# Altium PCB PCB_3U_DAC_no_BNC.PCBDOC (part 1 of 7) (continued)
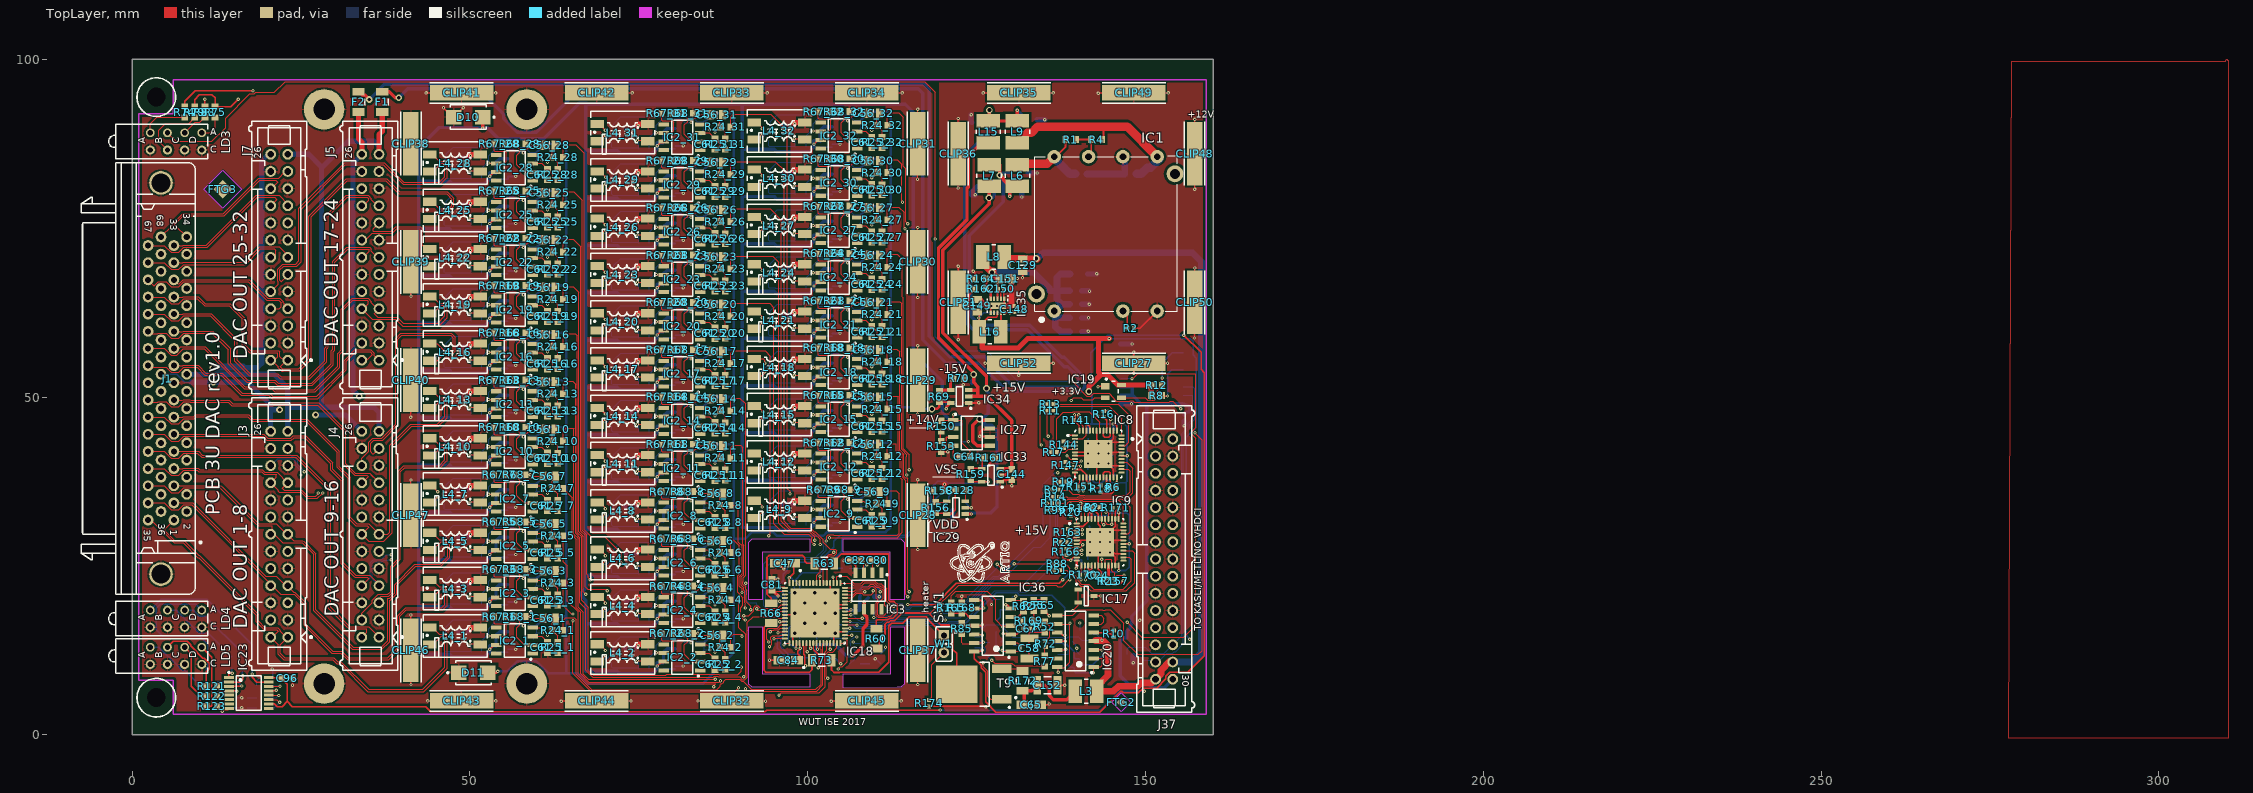
[diagram p0: TopLayer view]
## Classes and differential pairs
component class U_Output_channel1: C56_1 C61_1 C62_1 C90_1 C91_1 C92_1 C93_1 D5_1 IC2_1 L4_1 R24_1 R25_1 R39_1 R67_1 R68_1
component class U_Output_channel2: C56_2 C61_2 C62_2 C90_2 C91_2 C92_2 C93_2 D5_2 IC2_2 L4_2 R24_2 R25_2 R39_2 R67_2 R68_2
component class U_Output_channel3: C56_3 C61_3 C62_3 C90_3 C91_3 C92_3 C93_3 D5_3 IC2_3 L4_3 R24_3 R25_3 R39_3 R67_3 R68_3
component class U_Output_channel4: C56_4 C61_4 C62_4 C90_4 C91_4 C92_4 C93_4 D5_4 IC2_4 L4_4 R24_4 R25_4 R39_4 R67_4 R68_4
component class U_Output_channel5: C56_5 C61_5 C62_5 C90_5 C91_5 C92_5 C93_5 D5_5 IC2_5 L4_5 R24_5 R25_5 R39_5 R67_5 R68_5
component class U_Output_channel6: C56_6 C61_6 C62_6 C90_6 C91_6 C92_6 C93_6 D5_6 IC2_6 L4_6 R24_6 R25_6 R39_6 R67_6 R68_6
component class U_Output_channel7: C56_7 C61_7 C62_7 C90_7 C91_7 C92_7 C93_7 D5_7 IC2_7 L4_7 R24_7 R25_7 R39_7 R67_7 R68_7
component class U_Output_channel8: C56_8 C61_8 C62_8 C90_8 C91_8 C92_8 C93_8 D5_8 IC2_8 L4_8 R24_8 R25_8 R39_8 R67_8 R68_8
component class U_Output_channel9: C56_9 C61_9 C62_9 C90_9 C91_9 C92_9 C93_9 D5_9 IC2_9 L4_9 R24_9 R25_9 R39_9 R67_9 R68_9
component class U_Output_channel10: C56_10 C61_10 C62_10 C90_10 C91_10 C92_10 C93_10 D5_10 IC2_10 L4_10 R24_10 R25_10 R39_10 R67_10 R68_10
component class U_Output_channel11: C56_11 C61_11 C62_11 C90_11 C91_11 C92_11 C93_11 D5_11 IC2_11 L4_11 R24_11 R25_11 R39_11 R67_11 R68_11
component class U_Output_channel12: C56_12 C61_12 C62_12 C90_12 C91_12 C92_12 C93_12 D5_12 IC2_12 L4_12 R24_12 R25_12 R39_12 R67_12 R68_12
component class U_Output_channel13: C56_13 C61_13 C62_13 C90_13 C91_13 C92_13 C93_13 D5_13 IC2_13 L4_13 R24_13 R25_13 R39_13 R67_13 R68_13
component class U_Output_channel14: C56_14 C61_14 C62_14 C90_14 C91_14 C92_14 C93_14 D5_14 IC2_14 L4_14 R24_14 R25_14 R39_14 R67_14 R68_14
component class U_Output_channel15: C56_15 C61_15 C62_15 C90_15 C91_15 C92_15 C93_15 D5_15 IC2_15 L4_15 R24_15 R25_15 R39_15 R67_15 R68_15
component class U_Output_channel16: C56_16 C61_16 C62_16 C90_16 C91_16 C92_16 C93_16 D5_16 IC2_16 L4_16 R24_16 R25_16 R39_16 R67_16 R68_16
component class U_Output_channel17: C56_17 C61_17 C62_17 C90_17 C91_17 C92_17 C93_17 D5_17 IC2_17 L4_17 R24_17 R25_17 R39_17 R67_17 R68_17
component class U_Output_channel18: C56_18 C61_18 C62_18 C90_18 C91_18 C92_18 C93_18 D5_18 IC2_18 L4_18 R24_18 R25_18 R39_18 R67_18 R68_18
component class U_Output_channel19: C56_19 C61_19 C62_19 C90_19 C91_19 C92_19 C93_19 D5_19 IC2_19 L4_19 R24_19 R25_19 R39_19 R67_19 R68_19
component class U_Output_channel20: C56_20 C61_20 C62_20 C90_20 C91_20 C92_20 C93_20 D5_20 IC2_20 L4_20 R24_20 R25_20 R39_20 R67_20 R68_20
component class U_Output_channel21: C56_21 C61_21 C62_21 C90_21 C91_21 C92_21 C93_21 D5_21 IC2_21 L4_21 R24_21 R25_21 R39_21 R67_21 R68_21
component class U_Output_channel22: C56_22 C61_22 C62_22 C90_22 C91_22 C92_22 C93_22 D5_22 IC2_22 L4_22 R24_22 R25_22 R39_22 R67_22 R68_22
component class U_Output_channel23: C56_23 C61_23 C62_23 C90_23 C91_23 C92_23 C93_23 D5_23 IC2_23 L4_23 R24_23 R25_23 R39_23 R67_23 R68_23
component class U_Output_channel24: C56_24 C61_24 C62_24 C90_24 C91_24 C92_24 C93_24 D5_24 IC2_24 L4_24 R24_24 R25_24 R39_24 R67_24 R68_24
component class U_Output_channel25: C56_25 C61_25 C62_25 C90_25 C91_25 C92_25 C93_25 D5_25 IC2_25 L4_25 R24_25 R25_25 R39_25 R67_25 R68_25
component class U_Output_channel26: C56_26 C61_26 C62_26 C90_26 C91_26 C92_26 C93_26 D5_26 IC2_26 L4_26 R24_26 R25_26 R39_26 R67_26 R68_26
component class U_Output_channel27: C56_27 C61_27 C62_27 C90_27 C91_27 C92_27 C93_27 D5_27 IC2_27 L4_27 R24_27 R25_27 R39_27 R67_27 R68_27
component class U_Output_channel28: C56_28 C61_28 C62_28 C90_28 C91_28 C92_28 C93_28 D5_28 IC2_28 L4_28 R24_28 R25_28 R39_28 R67_28 R68_28
component class U_Output_channel29: C56_29 C61_29 C62_29 C90_29 C91_29 C92_29 C93_29 D5_29 IC2_29 L4_29 R24_29 R25_29 R39_29 R67_29 R68_29
component class U_Output_channel30: C56_30 C61_30 C62_30 C90_30 C91_30 C92_30 C93_30 D5_30 IC2_30 L4_30 R24_30 R25_30 R39_30 R67_30 R68_30
component class U_Output_channel31: C56_31 C61_31 C62_31 C90_31 C91_31 C92_31 C93_31 D5_31 IC2_31 L4_31 R24_31 R25_31 R39_31 R67_31 R68_31
component class U_Output_channel32: C56_32 C61_32 C62_32 C90_32 C91_32 C92_32 C93_32 D5_32 IC2_32 L4_32 R24_32 R25_32 R39_32 R67_32 R68_32
channel class Output_channel: U_Output_channel1 U_Output_channel2 U_Output_channel3 U_Output_channel4 U_Output_channel5 U_Output_channel6 U_Output_channel7 U_Output_channel8 U_Output_channel9 U_Output_channel10 U_Output_channel11 U_Output_channel12 U_Output_channel13 U_Output_channel14 U_Output_channel15 U_Output_channel16 U_Output_channel17 U_Output_channel18 U_Output_channel19 U_Output_channel20 U_Output_channel21 U_Output_channel22 U_Output_channel23 U_Output_channel24 U_Output_channel25 U_Output_channel26 U_Output_channel27 U_Output_channel28 U_Output_channel29 U_Output_channel30 U_Output_channel31 U_Output_channel32
channel class IDC2BNC: U_IDC2BNC1 U_IDC2BNC2 U_IDC2BNC3 U_IDC2BNC4
component class U_Thermal_MGM: C58 C59 C65 C66 C67 C152 IC16 IC17 IC20 IC36 L3 LD3 R5 R9 R10 R47 R48 R49 R50 R52 R53 R54 R55 R56 R57 R60 R62 R63 R64_U_Thermal_MGM2 R65 R66 R67_U_Thermal_MGM2 R69_U_Thermal_MGM2 R70_U_Thermal_MGM2 R71 R72 R72_U_Thermal_MGM2 R73 R74 R75 R76 R77 R78 R79 R81 R83 R84 R85 R87 R165 R168 R169 R172 R174 SW1 T9 W1
component class U_Supply_DAC: C63 C64 C124 C128 C129 C130 C131 C132 C133 C134 C135 C136 C137 C138 C139 C140 C141 C142 C143 C144 C145 C146 C147 C148 C149 C150 C151 D10 D11 F1 F2 IC1 IC27 IC29 IC33 IC34 IC35 L6 L7 L8 L9 L15 L16 R1 R2 R4 R69 R70 R150 R153 R156 R158 R159 R161 R162 R164
component class U_DAC_32CH: C9 C12 C13 C14 C31 C33 C47 C50 C53 C76 C77 C78 C79 C80 C81 C82 C83 C84 IC3 IC18 R3 R7 R58 R82
component class PCB_3U_DAC: C68 C71 C95 C96 CLIP27 CLIP28 CLIP29 CLIP30 CLIP31 CLIP32 CLIP33 CLIP34 CLIP35 CLIP36 CLIP37 CLIP38 CLIP39 CLIP40 CLIP41 CLIP42 CLIP43 CLIP44 CLIP45 CLIP46 CLIP47 CLIP48 CLIP49 CLIP50 CLIP51 CLIP52 FTG1 FTG2 FTG3 FTG4 IC19 IC23 J1 J3 J4 J5 J7 LD1 LD4 LD5 R44 R45 R113 R114 R115 R116 R117 R118 R119 R120 R121 R122 R123
component class U_LVDS_IFC_DAC: C19 C20 C21 C22 C23 C24 C37 C38 C69 C70 IC8 IC9 IC13 IC32 J37 R6 R8 R11 R12 R13 R14 R16 R17 R18 R19 R20 R21 R22 R23 R51 R88 R97 R99 R101 R141 R144 R147 R151 R157 R160 R163 R166 R170 R171
net class VOUT[32..1]: VOUT1 VOUT2 VOUT3 VOUT4 VOUT5 VOUT6 VOUT7 VOUT8 VOUT9 VOUT10 VOUT11 VOUT12 VOUT13 VOUT14 VOUT15 VOUT16 VOUT17 VOUT18 VOUT19 VOUT20 VOUT21 VOUT22 VOUT23 VOUT24 VOUT25 VOUT26 VOUT27 VOUT28 VOUT29 VOUT30 VOUT31 VOUT32
net class DAC_OUT_N[31..1]: DAC_OUT_N1 DAC_OUT_N2 DAC_OUT_N3 DAC_OUT_N4 DAC_OUT_N5 DAC_OUT_N6 DAC_OUT_N7 DAC_OUT_N8 DAC_OUT_N9 DAC_OUT_N10 DAC_OUT_N11 DAC_OUT_N12 DAC_OUT_N13 DAC_OUT_N14 DAC_OUT_N15 DAC_OUT_N16 DAC_OUT_N17 DAC_OUT_N18 DAC_OUT_N19 DAC_OUT_N20 DAC_OUT_N21 DAC_OUT_N22 DAC_OUT_N23 DAC_OUT_N24 DAC_OUT_N25 DAC_OUT_N26 DAC_OUT_N27 DAC_OUT_N28 DAC_OUT_N29 DAC_OUT_N30 DAC_OUT_N31 DAC_OUT_N32
net class DAC_OUT_P[32..1]: DAC_OUT_P1 DAC_OUT_P2 DAC_OUT_P3 DAC_OUT_P4 DAC_OUT_P5 DAC_OUT_P6 DAC_OUT_P7 DAC_OUT_P8 DAC_OUT_P9 DAC_OUT_P10 DAC_OUT_P11 DAC_OUT_P12 DAC_OUT_P13 DAC_OUT_P14 DAC_OUT_P15 DAC_OUT_P16 DAC_OUT_P17 DAC_OUT_P18 DAC_OUT_P19 DAC_OUT_P20 DAC_OUT_P21 DAC_OUT_P22 DAC_OUT_P23 DAC_OUT_P24 DAC_OUT_P25 DAC_OUT_P26 DAC_OUT_P27 DAC_OUT_P28 DAC_OUT_P29 DAC_OUT_P30 DAC_OUT_P31 DAC_OUT_P32
channel class Filter_simulations: U_Filter_simulations1 U_Filter_simulations2 U_Filter_simulations3 U_Filter_simulations4 U_Filter_simulations5 U_Filter_simulations6 U_Filter_simulations7 U_Filter_simulations8 U_Filter_simulations9 U_Filter_simulations10 U_Filter_simulations11 U_Filter_simulations12 U_Filter_simulations13 U_Filter_simulations14 U_Filter_simulations15 U_Filter_simulations16 U_Filter_simulations17 U_Filter_simulations18 U_Filter_simulations19 U_Filter_simulations20 U_Filter_simulations21 U_Filter_simulations22 U_Filter_simulations23 U_Filter_simulations24 U_Filter_simulations25 U_Filter_simulations26 U_Filter_simulations27 U_Filter_simulations28 U_Filter_simulations29 U_Filter_simulations30 U_Filter_simulations31 U_Filter_simulations32
differential pair DAC_OUT32: +DAC_OUT_P32 -DAC_OUT_N32
differential pair DAC_OUT31: +DAC_OUT_P31 -DAC_OUT_N31
differential pair DAC_OUT30: +DAC_OUT_P30 -DAC_OUT_N30
differential pair DAC_OUT29: +DAC_OUT_P29 -DAC_OUT_N29
differential pair DAC_OUT28: +DAC_OUT_P28 -DAC_OUT_N28
differential pair DAC_OUT27: +DAC_OUT_P27 -DAC_OUT_N27
differential pair DAC_OUT26: +DAC_OUT_P26 -DAC_OUT_N26
differential pair DAC_OUT25: +DAC_OUT_P25 -DAC_OUT_N25
differential pair DAC_OUT24: +DAC_OUT_P24 -DAC_OUT_N24
differential pair DAC_OUT23: +DAC_OUT_P23 -DAC_OUT_N23
differential pair DAC_OUT22: +DAC_OUT_P22 -DAC_OUT_N22
differential pair DAC_OUT21: +DAC_OUT_P21 -DAC_OUT_N21
differential pair DAC_OUT20: +DAC_OUT_P20 -DAC_OUT_N20
differential pair DAC_OUT19: +DAC_OUT_P19 -DAC_OUT_N19
differential pair DAC_OUT18: +DAC_OUT_P18 -DAC_OUT_N18
differential pair DAC_OUT17: +DAC_OUT_P17 -DAC_OUT_N17
differential pair DAC_OUT16: +DAC_OUT_P16 -DAC_OUT_N16
differential pair DAC_OUT15: +DAC_OUT_P15 -DAC_OUT_N15
differential pair DAC_OUT14: +DAC_OUT_P14 -DAC_OUT_N14
differential pair DAC_OUT13: +DAC_OUT_P13 -DAC_OUT_N13
differential pair DAC_OUT12: +DAC_OUT_P12 -DAC_OUT_N12
differential pair DAC_OUT11: +DAC_OUT_P11 -DAC_OUT_N11
differential pair DAC_OUT10: +DAC_OUT_P10 -DAC_OUT_N10
differential pair DAC_OUT9: +DAC_OUT_P9 -DAC_OUT_N9
differential pair DAC_OUT8: +DAC_OUT_P8 -DAC_OUT_N8
differential pair DAC_OUT7: +DAC_OUT_P7 -DAC_OUT_N7
differential pair DAC_OUT6: +DAC_OUT_P6 -DAC_OUT_N6
differential pair DAC_OUT5: +DAC_OUT_P5 -DAC_OUT_N5
differential pair DAC_OUT4: +DAC_OUT_P4 -DAC_OUT_N4
differential pair DAC_OUT3: +DAC_OUT_P3 -DAC_OUT_N3
differential pair DAC_OUT2: +DAC_OUT_P2 -DAC_OUT_N2
differential pair DAC_OUT1: +DAC_OUT_P1 -DAC_OUT_N1
differential pair LVDS1: +LVDS1_P -LVDS1_N
differential pair LVDS2: +LVDS2_P -LVDS2_N
differential pair LVDS3: +LVDS3_P -LVDS3_N
differential pair LVDS4: +LVDS4_P -LVDS4_N
differential pair LVDS5: +LVDS5_P -LVDS5_N
differential pair LVDS6: +LVDS6_P -LVDS6_N
differential pair LVDS7: +LVDS7_P -LVDS7_N
differential pair LVDS8: +LVDS8_P -LVDS8_N

## Components (designator, comment, footprint, x,y, rotation, side; value= is the part's Value field where it differs from the comment)
C9 "100nF" CAPC1005X55N 109.445,20.444 r180 bottom
C12 "10uF" CAPMP3216X180N 94.586,21.968 r90 bottom
C13 "100nF" CAPC1005X55N 105.254,18.666 r0 bottom
C14 "10uF" CAPMP3216X180N 109.064,18.539 r0 bottom
C19 "100nF" CAPC1005X55N 145.673,41.323 r0 bottom
C20 "100nF" CAPC1005X55N 145.266,39.215 r270 bottom
C21 "100nF" CAPC1005X55N 145.266,44.676 r90 bottom
C22 "100nF" CAPC1005X55N 141.456,38.783 r270 bottom
C23 "100nF" CAPC1005X55N 141.558,44.346 r90 bottom
C24 "100nF" CAPC1005X55N 143.016,23.555 r180 top
C31 "100nF" CAPC1005X55N 98.015,22.349 r90 bottom
C33 "100nF" CAPC1005X55N 97.634,13.713 r270 bottom
C37 "100nF" CAPC1005X55N 155.753,46.965 r90 bottom
C38 "100nF" CAPC1005X55N 148.171,15.859 r180 bottom
C47 "10uF" CAPMP3216X180N 96.618,25.397 r180 top
C50 "100nF" CAPC1005X55N 98.904,13.84 r270 bottom
C53 "100nF" CAPC1005X55N 96.745,21.079 r180 bottom
C56_1 "680pF" CAPC2012X135N 61.722,17.272 r180 top (schematic designator C56)
C56_2 "680pF" CAPC2012X135N 86.522,14.772 r180 top (schematic designator C56)
C56_3 "680pF" CAPC2012X135N 61.722,24.272 r180 top (schematic designator C56)
C56_4 "680pF" CAPC2012X135N 86.522,21.772 r180 top (schematic designator C56)
C56_5 "680pF" CAPC2012X135N 61.722,31.272 r180 top (schematic designator C56)
C56_6 "680pF" CAPC2012X135N 86.522,28.772 r180 top (schematic designator C56)
C56_7 "680pF" CAPC2012X135N 61.722,38.272 r180 top (schematic designator C56)
C56_8 "680pF" CAPC2012X135N 86.522,35.772 r180 top (schematic designator C56)
C56_9 "680pF" CAPC2012X135N 109.722,36.022 r180 top (schematic designator C56)
C56_10 "680pF" CAPC2012X135N 61.722,45.272 r180 top (schematic designator C56)
C56_11 "680pF" CAPC2012X135N 86.522,42.772 r180 top (schematic designator C56)
C56_12 "680pF" CAPC2012X135N 109.722,43.022 r180 top (schematic designator C56)
C56_13 "680pF" CAPC2012X135N 61.722,52.272 r180 top (schematic designator C56)
C56_14 "680pF" CAPC2012X135N 86.522,49.772 r180 top (schematic designator C56)
C56_15 "680pF" CAPC2012X135N 109.722,50.022 r180 top (schematic designator C56)
C56_16 "680pF" CAPC2012X135N 61.722,59.272 r180 top (schematic designator C56)
C56_17 "680pF" CAPC2012X135N 86.522,56.772 r180 top (schematic designator C56)
C56_18 "680pF" CAPC2012X135N 109.722,57.022 r180 top (schematic designator C56)
C56_19 "680pF" CAPC2012X135N 61.722,66.272 r180 top (schematic designator C56)
C56_20 "680pF" CAPC2012X135N 86.522,63.772 r180 top (schematic designator C56)
C56_21 "680pF" CAPC2012X135N 109.722,64.022 r180 top (schematic designator C56)
C56_22 "680pF" CAPC2012X135N 61.722,73.272 r180 top (schematic designator C56)
C56_23 "680pF" CAPC2012X135N 86.522,70.772 r180 top (schematic designator C56)
C56_24 "680pF" CAPC2012X135N 109.722,71.022 r180 top (schematic designator C56)
C56_25 "680pF" CAPC2012X135N 61.722,80.272 r180 top (schematic designator C56)
C56_26 "680pF" CAPC2012X135N 86.522,77.772 r180 top (schematic designator C56)
C56_27 "680pF" CAPC2012X135N 109.722,78.022 r180 top (schematic designator C56)
C56_28 "680pF" CAPC2012X135N 61.722,87.272 r180 top (schematic designator C56)
C56_29 "680pF" CAPC2012X135N 86.522,84.772 r180 top (schematic designator C56)
C56_30 "680pF" CAPC2012X135N 109.722,85.022 r180 top (schematic designator C56)
C56_31 "680pF" CAPC2012X135N 86.522,91.772 r180 top (schematic designator C56)
C56_32 "680pF" CAPC2012X135N 109.722,92.022 r180 top (schematic designator C56)
C58 "47uF" CAPC3225X270N 132.813,12.824 r90 top
C59 "1nF" CAPC1608X87N 128.495,19.301 r270 bottom
C61_1 "220pF" CAPC1608X87N 61.468,12.954 r90 top (schematic designator C61)
C61_2 "220pF" CAPC1608X87N 86.268,10.454 r90 top (schematic designator C61)
C61_3 "220pF" CAPC1608X87N 61.468,19.954 r90 top (schematic designator C61)
C61_4 "220pF" CAPC1608X87N 86.268,17.454 r90 top (schematic designator C61)
C61_5 "220pF" CAPC1608X87N 61.468,26.954 r90 top (schematic designator C61)
C61_6 "220pF" CAPC1608X87N 86.268,24.454 r90 top (schematic designator C61)
C61_7 "220pF" CAPC1608X87N 61.468,33.954 r90 top (schematic designator C61)
C61_8 "220pF" CAPC1608X87N 86.268,31.454 r90 top (schematic designator C61)
C61_9 "220pF" CAPC1608X87N 109.468,31.704 r90 top (schematic designator C61)
C61_10 "220pF" CAPC1608X87N 61.468,40.954 r90 top (schematic designator C61)
C61_11 "220pF" CAPC1608X87N 86.268,38.454 r90 top (schematic designator C61)
C61_12 "220pF" CAPC1608X87N 109.468,38.704 r90 top (schematic designator C61)
C61_13 "220pF" CAPC1608X87N 61.468,47.954 r90 top (schematic designator C61)
C61_14 "220pF" CAPC1608X87N 86.268,45.454 r90 top (schematic designator C61)
C61_15 "220pF" CAPC1608X87N 109.468,45.704 r90 top (schematic designator C61)
C61_16 "220pF" CAPC1608X87N 61.468,54.954 r90 top (schematic designator C61)
C61_17 "220pF" CAPC1608X87N 86.268,52.454 r90 top (schematic designator C61)
C61_18 "220pF" CAPC1608X87N 109.468,52.704 r90 top (schematic designator C61)
C61_19 "220pF" CAPC1608X87N 61.468,61.954 r90 top (schematic designator C61)
C61_20 "220pF" CAPC1608X87N 86.268,59.454 r90 top (schematic designator C61)
C61_21 "220pF" CAPC1608X87N 109.468,59.704 r90 top (schematic designator C61)
C61_22 "220pF" CAPC1608X87N 61.468,68.954 r90 top (schematic designator C61)
C61_23 "220pF" CAPC1608X87N 86.268,66.454 r90 top (schematic designator C61)
C61_24 "220pF" CAPC1608X87N 109.468,66.704 r90 top (schematic designator C61)
C61_25 "220pF" CAPC1608X87N 61.468,75.954 r90 top (schematic designator C61)
C61_26 "220pF" CAPC1608X87N 86.268,73.454 r90 top (schematic designator C61)
C61_27 "220pF" CAPC1608X87N 109.468,73.704 r90 top (schematic designator C61)
C61_28 "220pF" CAPC1608X87N 61.468,82.954 r90 top (schematic designator C61)
C61_29 "220pF" CAPC1608X87N 86.268,80.454 r90 top (schematic designator C61)
C61_30 "220pF" CAPC1608X87N 109.468,80.704 r90 top (schematic designator C61)
C61_31 "220pF" CAPC1608X87N 86.268,87.454 r90 top (schematic designator C61)
C61_32 "220pF" CAPC1608X87N 109.468,87.704 r90 top (schematic designator C61)
C62_1 "2.2nF" CAPC3216X140N 48.26,14.224 r270 bottom (schematic designator C62)
C62_2 "2.2nF" CAPC3216X140N 73.06,11.724 r270 bottom (schematic designator C62)
C62_3 "2.2nF" CAPC3216X140N 48.26,21.224 r270 bottom (schematic designator C62)
C62_4 "2.2nF" CAPC3216X140N 73.06,18.724 r270 bottom (schematic designator C62)
C62_5 "2.2nF" CAPC3216X140N 48.26,28.224 r270 bottom (schematic designator C62)
C62_6 "2.2nF" CAPC3216X140N 73.06,25.724 r270 bottom (schematic designator C62)
C62_7 "2.2nF" CAPC3216X140N 48.26,35.224 r270 bottom (schematic designator C62)
C62_8 "2.2nF" CAPC3216X140N 73.06,32.724 r270 bottom (schematic designator C62)
C62_9 "2.2nF" CAPC3216X140N 96.26,32.974 r270 bottom (schematic designator C62)
C62_10 "2.2nF" CAPC3216X140N 48.26,42.224 r270 bottom (schematic designator C62)
C62_11 "2.2nF" CAPC3216X140N 73.06,39.724 r270 bottom (schematic designator C62)
C62_12 "2.2nF" CAPC3216X140N 96.26,39.974 r270 bottom (schematic designator C62)
C62_13 "2.2nF" CAPC3216X140N 48.26,49.224 r270 bottom (schematic designator C62)
C62_14 "2.2nF" CAPC3216X140N 73.06,46.724 r270 bottom (schematic designator C62)
C62_15 "2.2nF" CAPC3216X140N 96.26,46.974 r270 bottom (schematic designator C62)
C62_16 "2.2nF" CAPC3216X140N 48.26,56.224 r270 bottom (schematic designator C62)
C62_17 "2.2nF" CAPC3216X140N 73.06,53.724 r270 bottom (schematic designator C62)
C62_18 "2.2nF" CAPC3216X140N 96.26,53.974 r270 bottom (schematic designator C62)
C62_19 "2.2nF" CAPC3216X140N 48.26,63.224 r270 bottom (schematic designator C62)
C62_20 "2.2nF" CAPC3216X140N 73.06,60.724 r270 bottom (schematic designator C62)
C62_21 "2.2nF" CAPC3216X140N 96.26,60.974 r270 bottom (schematic designator C62)
C62_22 "2.2nF" CAPC3216X140N 48.26,70.224 r270 bottom (schematic designator C62)
C62_23 "2.2nF" CAPC3216X140N 73.06,67.724 r270 bottom (schematic designator C62)
C62_24 "2.2nF" CAPC3216X140N 96.26,67.974 r270 bottom (schematic designator C62)
C62_25 "2.2nF" CAPC3216X140N 48.26,77.224 r270 bottom (schematic designator C62)
C62_26 "2.2nF" CAPC3216X140N 73.06,74.724 r270 bottom (schematic designator C62)
C62_27 "2.2nF" CAPC3216X140N 96.26,74.974 r270 bottom (schematic designator C62)
C62_28 "2.2nF" CAPC3216X140N 48.26,84.224 r270 bottom (schematic designator C62)
C62_29 "2.2nF" CAPC3216X140N 73.06,81.724 r270 bottom (schematic designator C62)
C62_30 "2.2nF" CAPC3216X140N 96.26,81.974 r270 bottom (schematic designator C62)
C62_31 "2.2nF" CAPC3216X140N 73.06,88.724 r270 bottom (schematic designator C62)
C62_32 "2.2nF" CAPC3216X140N 96.26,88.974 r270 bottom (schematic designator C62)
C63 "1uF" CAPC1608X87N 126.263,45.031 r90 bottom
C64 "10nF" CAPC1608X87N 123.263,41.206 r0 top
C65 "10uF" CAPMP3216X180N 133.067,4.442 r0 top
C66 "100nF" CAPC1005X55N 142.211,14.475 r270 bottom
C67 "100nF" CAPC1005X55N 132.432,15.745 r180 top
C68 "82pF" CAPC1608X87N 110,12 r180 bottom
C69 "100nF" CAPC1005X55N 140.974,25.931 r180 bottom
C70 "100nF" CAPC1005X55N 141.583,31.417 r90 bottom
C71 "82pF" CAPC1608X87N 16.25,5.5 r0 bottom
C76 "82pF" CAPC1608X87N 16.25,4 r0 bottom
C77 "82pF" CAPC1608X87N 20,8.75 r180 bottom
C78 "100nF" CAPC1005X55N 101.317,13.713 r270 bottom
C79 "10uF" CAPMP3216X180N 102.46,11.427 r0 bottom
C80 "2.2uF" CAPC1608X87N 110.274,25.842 r180 top
C81 "2.2uF" CAPC1608X87N 94.713,22.222 r270 top
C82 "1uF" CAPC1608X87N 107.099,25.842 r0 top
C83 "100nF" CAPC1005X55N 105.127,15.745 r0 bottom
C84 "10uF" CAPMP3216X180N 97.126,11.046 r180 top
C90_1 "10uF" CAPMP3216X180N 55.626,13.97 r270 bottom (schematic designator C90)
C90_2 "10uF" CAPMP3216X180N 80.426,11.47 r270 bottom (schematic designator C90)
C90_3 "10uF" CAPMP3216X180N 55.626,20.97 r270 bottom (schematic designator C90)
C90_4 "10uF" CAPMP3216X180N 80.426,18.47 r270 bottom (schematic designator C90)
C90_5 "10uF" CAPMP3216X180N 55.626,27.97 r270 bottom (schematic designator C90)
C90_6 "10uF" CAPMP3216X180N 80.426,25.47 r270 bottom (schematic designator C90)
C90_7 "10uF" CAPMP3216X180N 55.626,34.97 r270 bottom (schematic designator C90)
C90_8 "10uF" CAPMP3216X180N 80.426,32.47 r270 bottom (schematic designator C90)
C90_9 "10uF" CAPMP3216X180N 103.626,32.72 r270 bottom (schematic designator C90)
C90_10 "10uF" CAPMP3216X180N 55.626,41.97 r270 bottom (schematic designator C90)
C90_11 "10uF" CAPMP3216X180N 80.426,39.47 r270 bottom (schematic designator C90)
C90_12 "10uF" CAPMP3216X180N 103.626,39.72 r270 bottom (schematic designator C90)
C90_13 "10uF" CAPMP3216X180N 55.626,48.97 r270 bottom (schematic designator C90)
C90_14 "10uF" CAPMP3216X180N 80.426,46.47 r270 bottom (schematic designator C90)
C90_15 "10uF" CAPMP3216X180N 103.626,46.72 r270 bottom (schematic designator C90)
C90_16 "10uF" CAPMP3216X180N 55.626,55.97 r270 bottom (schematic designator C90)
C90_17 "10uF" CAPMP3216X180N 80.426,53.47 r270 bottom (schematic designator C90)
C90_18 "10uF" CAPMP3216X180N 103.626,53.72 r270 bottom (schematic designator C90)
C90_19 "10uF" CAPMP3216X180N 55.626,62.97 r270 bottom (schematic designator C90)
C90_20 "10uF" CAPMP3216X180N 80.426,60.47 r270 bottom (schematic designator C90)
C90_21 "10uF" CAPMP3216X180N 103.626,60.72 r270 bottom (schematic designator C90)
C90_22 "10uF" CAPMP3216X180N 55.626,69.97 r270 bottom (schematic designator C90)
C90_23 "10uF" CAPMP3216X180N 80.426,67.47 r270 bottom (schematic designator C90)
C90_24 "10uF" CAPMP3216X180N 103.626,67.72 r270 bottom (schematic designator C90)
C90_25 "10uF" CAPMP3216X180N 55.626,76.97 r270 bottom (schematic designator C90)
C90_26 "10uF" CAPMP3216X180N 80.426,74.47 r270 bottom (schematic designator C90)
C90_27 "10uF" CAPMP3216X180N 103.626,74.72 r270 bottom (schematic designator C90)
C90_28 "10uF" CAPMP3216X180N 55.626,83.97 r270 bottom (schematic designator C90)
C90_29 "10uF" CAPMP3216X180N 80.426,81.47 r270 bottom (schematic designator C90)
C90_30 "10uF" CAPMP3216X180N 103.626,81.72 r270 bottom (schematic designator C90)
C90_31 "10uF" CAPMP3216X180N 80.426,88.47 r270 bottom (schematic designator C90)
C90_32 "10uF" CAPMP3216X180N 103.626,88.72 r270 bottom (schematic designator C90)
C91_1 "100nF" CAPC1005X55N 53.848,12.7 r90 bottom (schematic designator C91)
C91_2 "100nF" CAPC1005X55N 78.648,10.2 r90 bottom (schematic designator C91)
C91_3 "100nF" CAPC1005X55N 53.848,19.7 r90 bottom (schematic designator C91)
C91_4 "100nF" CAPC1005X55N 78.648,17.2 r90 bottom (schematic designator C91)
C91_5 "100nF" CAPC1005X55N 53.848,26.7 r90 bottom (schematic designator C91)
C91_6 "100nF" CAPC1005X55N 78.648,24.2 r90 bottom (schematic designator C91)
C91_7 "100nF" CAPC1005X55N 53.848,33.7 r90 bottom (schematic designator C91)
C91_8 "100nF" CAPC1005X55N 78.648,31.2 r90 bottom (schematic designator C91)
C91_9 "100nF" CAPC1005X55N 101.848,31.45 r90 bottom (schematic designator C91)
C91_10 "100nF" CAPC1005X55N 53.848,40.7 r90 bottom (schematic designator C91)
C91_11 "100nF" CAPC1005X55N 78.648,38.2 r90 bottom (schematic designator C91)
C91_12 "100nF" CAPC1005X55N 101.848,38.45 r90 bottom (schematic designator C91)
C91_13 "100nF" CAPC1005X55N 53.848,47.7 r90 bottom (schematic designator C91)
C91_14 "100nF" CAPC1005X55N 78.648,45.2 r90 bottom (schematic designator C91)
C91_15 "100nF" CAPC1005X55N 101.848,45.45 r90 bottom (schematic designator C91)
C91_16 "100nF" CAPC1005X55N 53.848,54.7 r90 bottom (schematic designator C91)
C91_17 "100nF" CAPC1005X55N 78.648,52.2 r90 bottom (schematic designator C91)
C91_18 "100nF" CAPC1005X55N 101.848,52.45 r90 bottom (schematic designator C91)
C91_19 "100nF" CAPC1005X55N 53.848,61.7 r90 bottom (schematic designator C91)
C91_20 "100nF" CAPC1005X55N 78.648,59.2 r90 bottom (schematic designator C91)
C91_21 "100nF" CAPC1005X55N 101.848,59.45 r90 bottom (schematic designator C91)
C91_22 "100nF" CAPC1005X55N 53.848,68.7 r90 bottom (schematic designator C91)
C91_23 "100nF" CAPC1005X55N 78.648,66.2 r90 bottom (schematic designator C91)
C91_24 "100nF" CAPC1005X55N 101.848,66.45 r90 bottom (schematic designator C91)
C91_25 "100nF" CAPC1005X55N 53.848,75.7 r90 bottom (schematic designator C91)
C91_26 "100nF" CAPC1005X55N 78.648,73.2 r90 bottom (schematic designator C91)
C91_27 "100nF" CAPC1005X55N 101.848,73.45 r90 bottom (schematic designator C91)
C91_28 "100nF" CAPC1005X55N 53.848,82.7 r90 bottom (schematic designator C91)
C91_29 "100nF" CAPC1005X55N 78.648,80.2 r90 bottom (schematic designator C91)
C91_30 "100nF" CAPC1005X55N 101.848,80.45 r90 bottom (schematic designator C91)
C91_31 "100nF" CAPC1005X55N 78.648,87.2 r90 bottom (schematic designator C91)
C91_32 "100nF" CAPC1005X55N 101.848,87.45 r90 bottom (schematic designator C91)
C92_1 "100nF" CAPC1005X55N 59.436,13.716 r90 bottom (schematic designator C92)
C92_2 "100nF" CAPC1005X55N 84.236,11.216 r90 bottom (schematic designator C92)
C92_3 "100nF" CAPC1005X55N 59.436,20.716 r90 bottom (schematic designator C92)
C92_4 "100nF" CAPC1005X55N 84.236,18.216 r90 bottom (schematic designator C92)
C92_5 "100nF" CAPC1005X55N 59.436,27.716 r90 bottom (schematic designator C92)
C92_6 "100nF" CAPC1005X55N 84.236,25.216 r90 bottom (schematic designator C92)
C92_7 "100nF" CAPC1005X55N 59.436,34.716 r90 bottom (schematic designator C92)
C92_8 "100nF" CAPC1005X55N 84.236,32.216 r90 bottom (schematic designator C92)
C92_9 "100nF" CAPC1005X55N 107.436,32.466 r90 bottom (schematic designator C92)
C92_10 "100nF" CAPC1005X55N 59.436,41.716 r90 bottom (schematic designator C92)
C92_11 "100nF" CAPC1005X55N 84.236,39.216 r90 bottom (schematic designator C92)
C92_12 "100nF" CAPC1005X55N 107.436,39.466 r90 bottom (schematic designator C92)
C92_13 "100nF" CAPC1005X55N 59.436,48.716 r90 bottom (schematic designator C92)
C92_14 "100nF" CAPC1005X55N 84.236,46.216 r90 bottom (schematic designator C92)
C92_15 "100nF" CAPC1005X55N 107.436,46.466 r90 bottom (schematic designator C92)
C92_16 "100nF" CAPC1005X55N 59.436,55.716 r90 bottom (schematic designator C92)
C92_17 "100nF" CAPC1005X55N 84.236,53.216 r90 bottom (schematic designator C92)
C92_18 "100nF" CAPC1005X55N 107.436,53.466 r90 bottom (schematic designator C92)
C92_19 "100nF" CAPC1005X55N 59.436,62.716 r90 bottom (schematic designator C92)
C92_20 "100nF" CAPC1005X55N 84.236,60.216 r90 bottom (schematic designator C92)
C92_21 "100nF" CAPC1005X55N 107.436,60.466 r90 bottom (schematic designator C92)
C92_22 "100nF" CAPC1005X55N 59.436,69.716 r90 bottom (schematic designator C92)
C92_23 "100nF" CAPC1005X55N 84.236,67.216 r90 bottom (schematic designator C92)
C92_24 "100nF" CAPC1005X55N 107.436,67.466 r90 bottom (schematic designator C92)
C92_25 "100nF" CAPC1005X55N 59.436,76.716 r90 bottom (schematic designator C92)
C92_26 "100nF" CAPC1005X55N 84.236,74.216 r90 bottom (schematic designator C92)
C92_27 "100nF" CAPC1005X55N 107.436,74.466 r90 bottom (schematic designator C92)
C92_28 "100nF" CAPC1005X55N 59.436,83.716 r90 bottom (schematic designator C92)
C92_29 "100nF" CAPC1005X55N 84.236,81.216 r90 bottom (schematic designator C92)
C92_30 "100nF" CAPC1005X55N 107.436,81.466 r90 bottom (schematic designator C92)
C92_31 "100nF" CAPC1005X55N 84.236,88.216 r90 bottom (schematic designator C92)
C92_32 "100nF" CAPC1005X55N 107.436,88.466 r90 bottom (schematic designator C92)
C93_1 "10uF" CAPMP3216X180N 61.214,16.256 r180 bottom (schematic designator C93)
C93_2 "10uF" CAPMP3216X180N 86.014,13.756 r180 bottom (schematic designator C93)
C93_3 "10uF" CAPMP3216X180N 61.214,23.256 r180 bottom (schematic designator C93)
C93_4 "10uF" CAPMP3216X180N 86.014,20.756 r180 bottom (schematic designator C93)
C93_5 "10uF" CAPMP3216X180N 61.214,30.256 r180 bottom (schematic designator C93)
C93_6 "10uF" CAPMP3216X180N 86.014,27.756 r180 bottom (schematic designator C93)
C93_7 "10uF" CAPMP3216X180N 61.214,37.256 r180 bottom (schematic designator C93)
C93_8 "10uF" CAPMP3216X180N 86.014,34.756 r180 bottom (schematic designator C93)
C93_9 "10uF" CAPMP3216X180N 109.214,35.006 r180 bottom (schematic designator C93)
C93_10 "10uF" CAPMP3216X180N 61.214,44.256 r180 bottom (schematic designator C93)
C93_11 "10uF" CAPMP3216X180N 86.014,41.756 r180 bottom (schematic designator C93)
C93_12 "10uF" CAPMP3216X180N 109.214,42.006 r180 bottom (schematic designator C93)
C93_13 "10uF" CAPMP3216X180N 61.214,51.256 r180 bottom (schematic designator C93)
C93_14 "10uF" CAPMP3216X180N 86.014,48.756 r180 bottom (schematic designator C93)
C93_15 "10uF" CAPMP3216X180N 109.214,49.006 r180 bottom (schematic designator C93)
C93_16 "10uF" CAPMP3216X180N 61.214,58.256 r180 bottom (schematic designator C93)
C93_17 "10uF" CAPMP3216X180N 86.014,55.756 r180 bottom (schematic designator C93)
C93_18 "10uF" CAPMP3216X180N 109.214,56.006 r180 bottom (schematic designator C93)
C93_19 "10uF" CAPMP3216X180N 61.214,65.256 r180 bottom (schematic designator C93)
C93_20 "10uF" CAPMP3216X180N 86.014,62.756 r180 bottom (schematic designator C93)
C93_21 "10uF" CAPMP3216X180N 109.214,63.006 r180 bottom (schematic designator C93)
C93_22 "10uF" CAPMP3216X180N 61.214,72.256 r180 bottom (schematic designator C93)
C93_23 "10uF" CAPMP3216X180N 86.014,69.756 r180 bottom (schematic designator C93)
C93_24 "10uF" CAPMP3216X180N 109.214,70.006 r180 bottom (schematic designator C93)
C93_25 "10uF" CAPMP3216X180N 61.214,79.256 r180 bottom (schematic designator C93)
C93_26 "10uF" CAPMP3216X180N 86.014,76.756 r180 bottom (schematic designator C93)
C93_27 "10uF" CAPMP3216X180N 109.214,77.006 r180 bottom (schematic designator C93)
C93_28 "10uF" CAPMP3216X180N 61.214,86.256 r180 bottom (schematic designator C93)
C93_29 "10uF" CAPMP3216X180N 86.014,83.756 r180 bottom (schematic designator C93)
C93_30 "10uF" CAPMP3216X180N 109.214,84.006 r180 bottom (schematic designator C93)
C93_31 "10uF" CAPMP3216X180N 86.014,90.756 r180 bottom (schematic designator C93)
C93_32 "10uF" CAPMP3216X180N 109.214,91.006 r180 bottom (schematic designator C93)
C95 "82pF" CAPC1608X87N 110,10.5 r180 bottom
C96 "1uF" CAPC1608X87N 22.958,8.379 r180 top
C124 "10uF" CAPMP3216X180N 122.713,44.706 r270 bottom
C128 "10nF" CAPC1608X87N 122.608,36.222 r180 top
C129 "22uF" CAPC2012X135N 131.838,69.531 r90 top
C130 "22uF" CAPC2012X135N 140.462,83.058 r180 bottom
C131 "22uF" CAPC2012X135N 130.781,81.023 r180 bottom
C132 "10uF" CAPMP3216X180N 131.289,83.182 r0 bottom
C133 "1uF" CAPC1608X87N 123.283,33.647 r270 bottom
C134 "10uF" CAPMP3216X180N 126.336,81.15 r180 bottom
C135 "10uF" CAPMP3216X180N 121.458,34.472 r270 bottom
C136 "10uF" CAPMP3216X180N 140.13,68.241 r0 bottom
C137 "22uF" CAPC2012X135N 139.63,59.741 r180 bottom
C138 "22uF" CAPC2012X135N 139.63,65.741 r180 bottom
C139 "22uF" CAPC2012X135N 139.63,63.741 r180 bottom
C140 "22uF" CAPC2012X135N 139.63,61.741 r180 bottom
C141 "22uF" CAPC2012X135N 147.828,83.058 r0 bottom
C142 "22uF" CAPC2012X135N 133.067,91.056 r180 bottom
C143 "10uF" CAPMP3216X180N 125.574,90.675 r180 bottom
C144 "1uF" CAPC1608X87N 130.21,38.551 r90 top
C145 "10uF" CAPMP3216X180N 124.304,50.416 r270 bottom
C146 "10uF" CAPMP3216X180N 125.46,38.551 r90 bottom
C147 "10uF" CAPMP3216X180N 121.674,50.344 r270 bottom
C148 "100nF" CAPC1005X55N 130.588,63.031 r270 top
C149 "22uF" CAPC2012X135N 125.088,63.531 r270 top
C150 "100nF" CAPC1005X55N 128.588,66.031 r180 top
C151 "22uF" CAPC2012X135N 129.25,67.5 r180 top
C152 "47uF" CAPC3225X270N 135.48,7.363 r0 top
CLIP27 "S1411-46R" CLIP_HOLLAND-SHIELDING_LC 148.263,55.031 r0 top
CLIP28 "S1411-46R" CLIP_HOLLAND-SHIELDING_LC 116.263,32.531 r90 top
CLIP29 "S1411-46R" CLIP_HOLLAND-SHIELDING_LC 116.263,52.531 r90 top
CLIP30 "S1411-46R" CLIP_HOLLAND-SHIELDING_LC 116.263,70.031 r90 top
CLIP31 "S1411-46R" CLIP_HOLLAND-SHIELDING_LC 116.263,87.531 r90 top
CLIP32 "S1411-46R" CLIP_HOLLAND-SHIELDING_LC 88.763,5.031 r180 top
CLIP33 "S1411-46R" CLIP_HOLLAND-SHIELDING_LC 88.763,95.031 r180 top
CLIP34 "S1411-46R" CLIP_HOLLAND-SHIELDING_LC 108.763,95.031 r180 top
CLIP35 "S1411-46R" CLIP_HOLLAND-SHIELDING_LC 131.263,95.031 r180 top
CLIP36 "S1411-46R" CLIP_HOLLAND-SHIELDING_LC 122.263,86.031 r90 top
CLIP37 "S1411-46R" CLIP_HOLLAND-SHIELDING_LC 116.263,12.531 r90 top
CLIP38 "S1411-46R" CLIP_HOLLAND-SHIELDING_LC 41.263,87.531 r90 top
CLIP39 "S1411-46R" CLIP_HOLLAND-SHIELDING_LC 41.263,70.031 r90 top
CLIP40 "S1411-46R" CLIP_HOLLAND-SHIELDING_LC 41.263,52.531 r90 top
CLIP41 "S1411-46R" CLIP_HOLLAND-SHIELDING_LC 48.763,95.031 r180 top
CLIP42 "S1411-46R" CLIP_HOLLAND-SHIELDING_LC 68.763,95.031 r180 top
CLIP43 "S1411-46R" CLIP_HOLLAND-SHIELDING_LC 48.763,5.031 r180 top
CLIP44 "S1411-46R" CLIP_HOLLAND-SHIELDING_LC 68.763,5.031 r180 top
CLIP45 "S1411-46R" CLIP_HOLLAND-SHIELDING_LC 108.763,5.031 r180 top
CLIP46 "S1411-46R" CLIP_HOLLAND-SHIELDING_LC 41.263,12.531 r90 top
CLIP47 "S1411-46R" CLIP_HOLLAND-SHIELDING_LC 41.263,32.531 r90 top
CLIP48 "S1411-46R" CLIP_HOLLAND-SHIELDING_LC 157.263,86.031 r270 top
CLIP49 "S1411-46R" CLIP_HOLLAND-SHIELDING_LC 148.263,95.031 r180 top
CLIP50 "S1411-46R" CLIP_HOLLAND-SHIELDING_LC 157.263,64.031 r270 top
CLIP51 "S1411-46R" CLIP_HOLLAND-SHIELDING_LC 122.263,64.031 r270 top
CLIP52 "S1411-46R" CLIP_HOLLAND-SHIELDING_LC 131.263,55.031 r0 top
D5_1 "BAV199" SOT95P240X110-3N 45.063,12.931 r0 bottom (schematic designator D5)
D5_2 "BAV199" SOT95P240X110-3N 69.863,10.431 r0 bottom (schematic designator D5)
D5_3 "BAV199" SOT95P240X110-3N 45.063,19.931 r0 bottom (schematic designator D5)
D5_4 "BAV199" SOT95P240X110-3N 69.863,17.431 r0 bottom (schematic designator D5)
D5_5 "BAV199" SOT95P240X110-3N 45.063,26.931 r0 bottom (schematic designator D5)
D5_6 "BAV199" SOT95P240X110-3N 69.863,24.431 r0 bottom (schematic designator D5)
D5_7 "BAV199" SOT95P240X110-3N 45.063,33.931 r0 bottom (schematic designator D5)
D5_8 "BAV199" SOT95P240X110-3N 69.863,31.431 r0 bottom (schematic designator D5)
D5_9 "BAV199" SOT95P240X110-3N 93.063,31.681 r0 bottom (schematic designator D5)
D5_10 "BAV199" SOT95P240X110-3N 45.063,40.931 r0 bottom (schematic designator D5)
D5_11 "BAV199" SOT95P240X110-3N 69.863,38.431 r0 bottom (schematic designator D5)
D5_12 "BAV199" SOT95P240X110-3N 93.063,38.681 r0 bottom (schematic designator D5)
D5_13 "BAV199" SOT95P240X110-3N 45.063,47.931 r0 bottom (schematic designator D5)
D5_14 "BAV199" SOT95P240X110-3N 69.863,45.431 r0 bottom (schematic designator D5)
D5_15 "BAV199" SOT95P240X110-3N 93.063,45.681 r0 bottom (schematic designator D5)
D5_16 "BAV199" SOT95P240X110-3N 45.063,54.931 r0 bottom (schematic designator D5)
D5_17 "BAV199" SOT95P240X110-3N 69.863,52.431 r0 bottom (schematic designator D5)
D5_18 "BAV199" SOT95P240X110-3N 93.063,52.681 r0 bottom (schematic designator D5)
D5_19 "BAV199" SOT95P240X110-3N 45.063,61.931 r0 bottom (schematic designator D5)
D5_20 "BAV199" SOT95P240X110-3N 69.863,59.431 r0 bottom (schematic designator D5)
D5_21 "BAV199" SOT95P240X110-3N 93.063,59.681 r0 bottom (schematic designator D5)
D5_22 "BAV199" SOT95P240X110-3N 45.063,68.931 r0 bottom (schematic designator D5)
D5_23 "BAV199" SOT95P240X110-3N 69.863,66.431 r0 bottom (schematic designator D5)
D5_24 "BAV199" SOT95P240X110-3N 93.063,66.681 r0 bottom (schematic designator D5)
D5_25 "BAV199" SOT95P240X110-3N 45.063,75.931 r0 bottom (schematic designator D5)
D5_26 "BAV199" SOT95P240X110-3N 69.863,73.431 r0 bottom (schematic designator D5)
D5_27 "BAV199" SOT95P240X110-3N 93.063,73.681 r0 bottom (schematic designator D5)
D5_28 "BAV199" SOT95P240X110-3N 45.063,82.931 r0 bottom (schematic designator D5)
D5_29 "BAV199" SOT95P240X110-3N 69.863,80.431 r0 bottom (schematic designator D5)
D5_30 "BAV199" SOT95P240X110-3N 93.063,80.681 r0 bottom (schematic designator D5)
D5_31 "BAV199" SOT95P240X110-3N 69.863,87.431 r0 bottom (schematic designator D5)
D5_32 "BAV199" SOT95P240X110-3N 93.063,87.681 r0 bottom (schematic designator D5)
D10 "SMBJ12A" DIOM5336X265N 49.763,91.456 r180 top
D11 "SMBJ12A" DIOM5336X265N 50.513,9.206 r0 top
F1 "160mA-48V" FUSRC3216X100N 37.013,93.706 r90 top
F2 "160mA-48V" FUSRC3216X100N 33.513,93.706 r90 top
FTG1 "Use only in PCB" FIDUCIAL_TOP_C100-200 7.718,95.374 r90 bottom
FTG2 "Use only in PCB" FIDUCIAL_TOP_S100-200 146.402,4.823 r90 top
FTG3 "Use only in PCB" FIDUCIAL_TOP_S200-400 13.433,80.769 r0 top
FTG4 "Use only in PCB" FIDUCIAL_TOP_S100-200 146.275,4.823 r180 bottom
IC1 "CC6-1212DF-E" CC6-1212DF-E 133.858,65.278 r90 top
IC2_1 "OPA197ID" SOIC127P600X175-8N 56.607,13.97 r180 top (schematic designator IC2)
IC2_2 "OPA197ID" SOIC127P600X175-8N 81.407,11.47 r180 top (schematic designator IC2)
IC2_3 "OPA197ID" SOIC127P600X175-8N 56.607,20.97 r180 top (schematic designator IC2)
IC2_4 "OPA197ID" SOIC127P600X175-8N 81.407,18.47 r180 top (schematic designator IC2)
IC2_5 "OPA197ID" SOIC127P600X175-8N 56.607,27.97 r180 top (schematic designator IC2)
IC2_6 "OPA197ID" SOIC127P600X175-8N 81.407,25.47 r180 top (schematic designator IC2)
IC2_7 "OPA197ID" SOIC127P600X175-8N 56.607,34.97 r180 top (schematic designator IC2)
IC2_8 "OPA197ID" SOIC127P600X175-8N 81.407,32.47 r180 top (schematic designator IC2)
IC2_9 "OPA197ID" SOIC127P600X175-8N 104.607,32.72 r180 top (schematic designator IC2)
IC2_10 "OPA197ID" SOIC127P600X175-8N 56.607,41.97 r180 top (schematic designator IC2)
IC2_11 "OPA197ID" SOIC127P600X175-8N 81.407,39.47 r180 top (schematic designator IC2)
IC2_12 "OPA197ID" SOIC127P600X175-8N 104.607,39.72 r180 top (schematic designator IC2)
IC2_13 "OPA197ID" SOIC127P600X175-8N 56.607,48.97 r180 top (schematic designator IC2)